# Allegro board controller_layout.brd (continued)
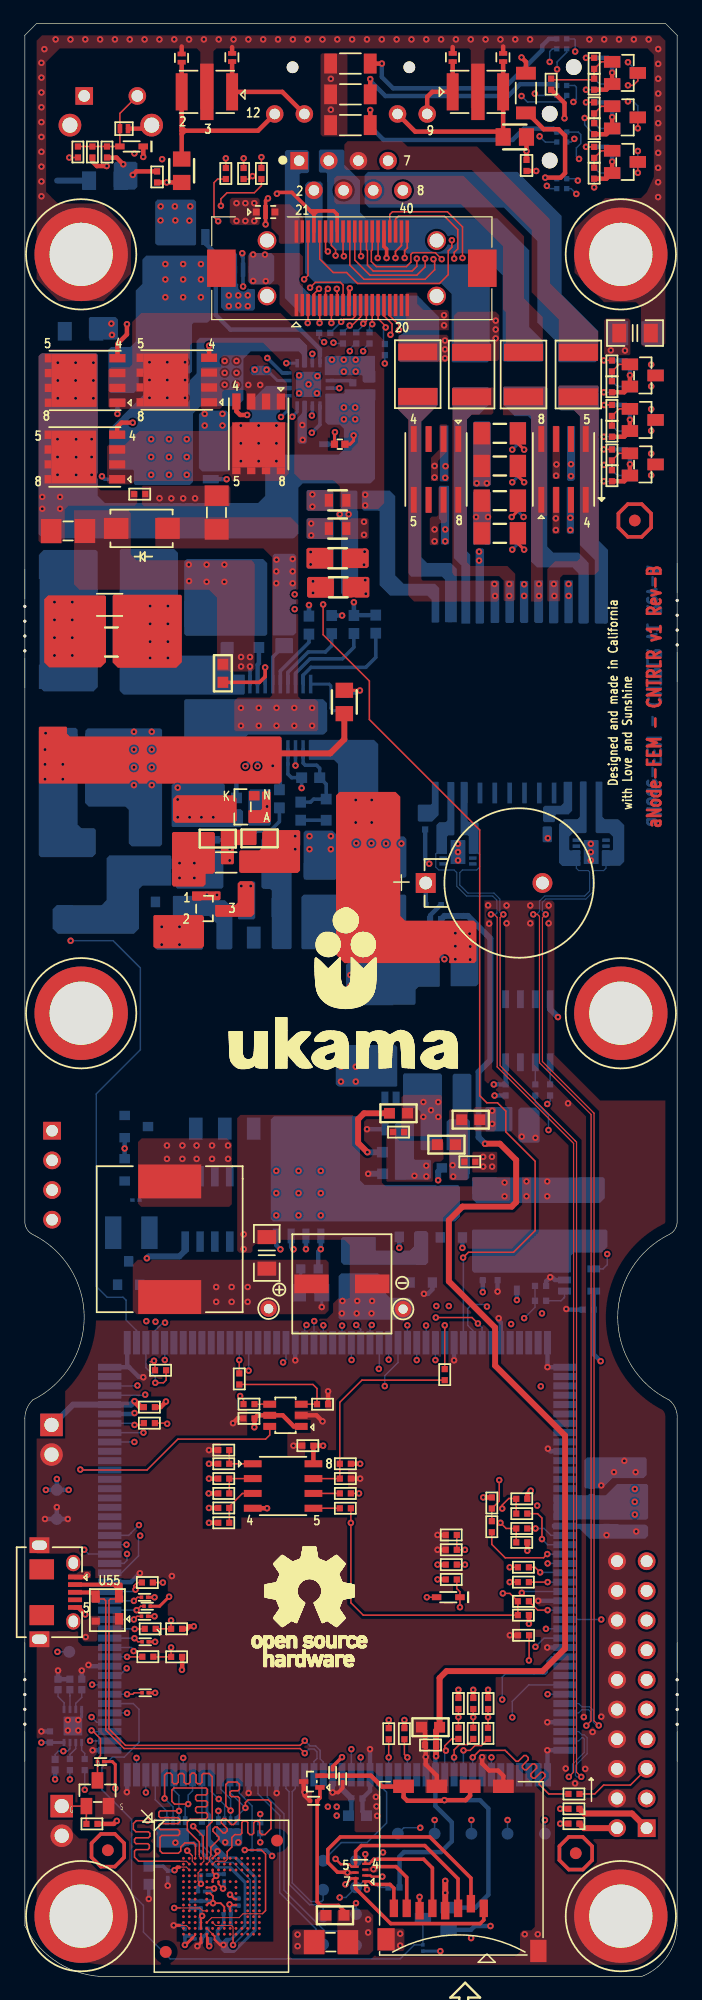
[diagram p0: board, top side]
## Routing (per net, layer and track width the routed paths; a pad name or vN(x,y) marks a point on that pad's centre or on a via; arc(x,y) is an arc through that point) (continued)
  BOTTOM w0.127: R109.1 v1(49.59,128.05) ; v1(8.73,26.4) 8.11,25.78 U17.97
PROG_LED_B2: length 203.8
  TOP w0.127: v1(49.62,134.58) 49.63,134.59 R20.1
  L3-SIG1 w0.119: v1(49.62,134.58) 49.6,134.59 49.06,134.59 48.73,134.92 48.73,137.61 44.66,141.67 44.66,152.03 38.87,157.82 16.74,157.82 14.82,155.9 14.82,147.83 14.21,147.22 14.21,143.34 13.84,142.98 10.29,142.98 9.36,142.05 7.02,142.05 3.76,138.79 3.76,128.25 5.24,126.77 5.24,89.79 10.14,84.89 10.14,78.55 5.12,73.54 5.12,68.25 6.92,66.45 6.92,52.97 5.99,52.05 5.99,38.13 7.07,37.06 7.07,23.58 v1(5.71,22.23)
  BOTTOM w0.127: U17.92 6.16,21.78 v1(5.71,22.23)
PROG_LED_B3: length 123.3
  TOP w0.127: R12.1 v1(48.07,156.69)
  L3-SIG1 w0.119: v1(48.07,156.69) 48.07,157.59 47.45,158.21 42.71,158.21 42.11,157.61 42.11,155.19 45.03,152.28 45.03,141.88 49.06,137.84 49.06,135.29 49.23,135.13 50.04,135.13 50.23,134.93 50.23,130.12 49.58,129.47 v1(49.61,129.45)
  L4-SIG2 w0.119: v1(49.61,129.45) 49.61,128.8 50.61,127.8 50.61,99.77 50.39,99.55 50.39,94.49 41.12,85.23 41.12,69.08 40.42,68.38 40.42,66.3 41.12,65.6 41.12,58.36 40.14,57.38 v1(39.58,57.38)
  BOTTOM w0.127: U17.168 38.37,55.34 37.95,55.76 37.95,57.22 38.29,57.56 39.4,57.56 39.57,57.38 v1(39.58,57.38)
PROG_LED_B4: length 184.8
  TOP w0.127: R6.1 v1(48.07,160.5)
  L3-SIG1 w0.119: v1(5.76,25.01) 5.76,25.75 6.39,26.38 6.39,34.34 5.82,34.92 5.82,36.6 5.31,37.11 5.31,52.37 6.19,53.25 6.19,65.94 4.38,67.76 4.38,73.84 9.34,78.8 9.34,84.62 4.33,89.63 4.33,104.16 3.4,105.09 3.4,124.82 3.7,125.12 3.7,127.26 3.41,127.54 2.7,127.54 2.16,128.08 2.16,138.44 6.47,142.75 9.03,142.75 10.7,144.42 10.7,152.31 11.26,152.87 13.18,152.87 14.03,153.72 14.03,156.25 18.33,160.54 43.8,160.54 44.37,161.11 47.45,161.11 v1(48.07,160.5)
  BOTTOM w0.127: U17.96 5.79,24.98 v1(5.76,25.01)
PROG_LED_G1: length 171.1
  L3-SIG1 w0.119: v1(9.39,45.78) 9.39,40.55 10.82,39.12 10.82,37.15 11.5,36.47 28.3,36.47 30.58,38.76 38.1,38.76 39.52,37.34 39.52,32.77 40.74,31.55 43.33,31.55 44.15,30.73 45.26,30.73 48.41,33.88 48.41,59.33 50.44,61.37 50.44,73.61 46.33,77.72 46.33,85.29 48.72,87.68 53.64,87.68 54.36,88.39 54.36,125.53 50.58,129.3 50.58,135.36 50.27,135.67 v1(49.59,135.67)
  BOTTOM w0.127: U17.122 v1(9.39,45.78) ; R102.1 v1(49.59,135.67)
PROG_LED_G2: length 210.9
  TOP w0.127: R24.1 v1(49.59,130.78)
  L3-SIG1 w0.119: v1(13.57,18.73) 10.97,18.73 7.76,21.94 7.76,37.54 6.7,38.59 6.7,51.8 7.61,52.71 7.61,66.79 5.79,68.61 5.79,73.16 10.92,78.29 10.92,85.18 6.08,90.02 6.08,126.75 7.14,127.81 7.14,128.83 6.48,129.5 6.48,138.71 7.36,139.6 8.16,139.6 10.81,142.25 14.64,142.25 15.65,143.26 15.65,155.82 17.01,157.18 38.4,157.18 44.02,151.56 44.02,141.41 48.07,137.35 48.07,131.56 48.85,130.78 v1(49.59,130.78)
  BOTTOM w0.127: U17.82 v1(13.57,18.73)
PROG_LED_G3: length 192.6
  L3-SIG1 w0.119: v1(5.59,20.19) 5.21,20.57 5.21,22.78 6.72,24.29 6.72,36.31 5.66,37.38 5.66,52.22 6.57,53.13 6.57,66.27 4.78,68.06 4.78,73.75 9.77,78.74 9.77,84.74 4.84,89.67 4.84,126.69 3.41,128.12 3.41,138.92 6.89,142.4 9.2,142.4 11.06,144.26 11.06,151.99 11.4,152.33 13.17,152.33 14.42,153.58 14.42,156.05 16.62,158.25 39.21,158.25 39.52,158.56 48.08,158.56 48.77,157.87 v1(48.77,153.21)
  BOTTOM w0.127: R100.1 v1(48.77,153.21) ; U17.90 5.6,20.18 v1(5.59,20.19)
PROG_LED_G4: length 156.5
  L3-SIG1 w0.119: v1(3.92,88.7) 3.92,88.71 3.92,100.7 2.56,102.05 2.56,112.09 1.88,112.77 1.88,124.95 2.23,125.3 2.23,127.25 1.73,127.74 1.73,138.6 6.2,143.07 8.79,143.07 10.33,144.62 10.33,153.08 11.51,154.26 13.06,154.26 13.65,154.86 13.65,156.43 18.13,160.91 41.48,160.91 42.34,161.76 47.89,161.76 v1(48.07,161.58)
  BOTTOM w0.127: R96.1 v1(48.07,161.58) ; v1(3.92,88.7) 3.93,88.71 7.56,88.71 9.9,86.38 9.9,79.36 6.12,75.58 6.12,59.11 7.05,58.17 8.42,58.17 8.67,57.92 8.67,56.23 9.57,55.33 U17.132
PROG_LED_R1: length 181.2
  TOP w0.127: R18.2 v1(49.59,138.4)
  L3-SIG1 w0.119: v1(49.59,138.4) 50.92,137.07 50.92,129.54 54.68,125.78 54.68,88.26 53.78,87.36 48.85,87.36 46.65,85.16 46.65,77.86 50.77,73.74 50.77,61.23 48.73,59.2 48.73,33.75 45.4,30.41 44.01,30.41 43.2,31.22 40.61,31.22 39.2,32.63 39.2,37.2 37.97,38.44 30.72,38.44 28.43,36.15 10.02,36.15 8.83,34.97 8.83,28.64 9.1,28.38 10.06,28.38 10.38,28.07 10.38,27.31 8.13,25.06 8.13,23.21 v1(8.76,22.58)
  BOTTOM w0.127: v1(8.76,22.58) U17.93
PROG_LED_R2: length 208.5
  L3-SIG1 w0.119: v1(9.57,18.73) 8.27,18.73 7.4,19.6 7.4,37.41 6.34,38.47 6.34,51.91 7.26,52.83 7.26,66.58 5.46,68.38 5.46,73.37 10.54,78.45 10.54,85.05 5.65,89.94 5.65,127.32 4.97,128 4.97,138.89 6.09,140.01 8.05,140.01 10.66,142.63 14,142.63 14.53,143.16 14.53,147.08 15.2,147.75 15.2,155.82 16.87,157.5 38.63,157.5 44.34,151.79 44.34,141.54 48.4,137.48 48.4,133.05 v1(49.59,131.86)
  BOTTOM w0.127: R105.2 v1(49.59,131.86) ; U17.87 v1(9.57,18.73)
PROG_LED_R3: length 203.3
  L3-SIG1 w0.119: v1(47.96,159.16) 48.49,159.16 48.83,159.5 48.83,161.54 48.2,162.17 42.14,162.17 41.24,161.27 17.95,161.27 13.3,156.62 13.3,155.05 12.87,154.62 10.14,154.62 9.39,155.38 v1(9.39,156.12)
  L4-SIG2 w0.119: v1(31.17,52.83) 29.51,52.83 28.77,52.1 20.58,52.1 17.94,54.73 15.57,54.73 14.07,56.23 14.07,64.17 10.16,68.07 10.16,75.08 11.99,76.91 11.99,85.95 9.6,88.35 9.6,99.12 11.55,101.08 11.55,106.89 15.23,110.57 22.68,110.57 31.2,119.09 31.2,136.16 30.28,137.08 30.28,139.91 29.44,140.74 28.93,140.74 28.45,141.22 28.45,142.13 28.08,142.49 23.91,142.49 22.66,143.75 22.66,145.38 21.87,146.17 17.94,146.17 15.37,148.73 11.17,148.73 10.37,149.53 10.37,154.32 9.38,155.31 9.38,156.12 v1(9.39,156.12)
  BOTTOM w0.127: v1(47.96,159.16) 47.96,158.58 R98.2 ; U17.159 v1(31.17,52.83)
PROG_LED_R4: length 186.2
  TOP w0.127: R1.2 v1(48.07,164.31)
  L3-SIG1 w0.119: v1(48.07,164.31) 48.51,163.87 48.51,162.86 48.19,162.55 41.89,162.55 41.09,161.75 17.79,161.75 12.78,156.74 12.78,155.78 12.63,155.63 v1(11.76,155.63)
  L4-SIG2 w0.119: v1(11.76,155.63) 11.76,154.66 10.69,153.59 10.69,149.8 11.36,149.13 15.46,149.13 18.08,146.52 22.07,146.52 23.08,145.51 23.08,143.94 24.18,142.83 29.42,142.83 30.39,141.87 30.39,140.38 31.63,139.14 31.63,119.04 22.77,110.18 15.58,110.18 12.02,106.61 12.02,100.88 10.06,98.92 10.06,88.43 12.34,86.15 12.34,76.69 10.7,75.05 10.7,68.29 14.41,64.57 14.41,56.4 15.68,55.14 18.16,55.14 20.71,52.6 v1(22.12,52.6)
  BOTTOM w0.127: v1(22.12,52.6) 22.37,52.85 U17.148
RF_EEPROM_WP: length 109.5
  TOP w0.127: v1(23.93,145.34) 24.26,145.67 J1.23
  L4-SIG2 w0.119: v1(34.37,55.76) 33.53,56.6 33.53,57.66 29.99,61.19 29.99,71.44 30.41,71.86 30.41,88.16 29.62,88.95 29.62,93.93 29.06,94.49 29.06,101.6 30.11,102.65 30.11,113.73 34.27,117.9 34.27,141.88 30.94,145.21 30.94,145.75 30.72,145.97 30.72,145.97 30.33,146.36 24.94,146.36 v1(23.93,145.34)
  BOTTOM w0.127: U17.163 v1(34.37,55.76)
RF_PWR_DETECT_F: length 185.4
  TOP w0.127: v1(16.56,150.32) 16.21,150.67 16.21,153.62 16.51,153.93 R15.1
  L4-SIG2 w0.119: v1(16.56,150.32) 16.56,150.59 17.32,151.34 17.32,152.34 18.24,153.27 22.1,153.27 22.43,152.94 22.43,151.05 22.96,150.52 38.23,150.52 42.13,146.61 42.13,141.36 44.45,139.04 47.65,139.04 52.52,134.18 52.52,94.13 43.1,84.71 43.1,79.17 47.55,74.71 47.55,73.37 47.11,72.93 47.11,64.47 46,63.35 46,59.11 45.47,58.57 45.47,54.41 41.86,50.8 41.86,37.49 27.97,23.6 v1(27.97,19.48)
  BOTTOM w0.127: v1(27.97,19.48) U17.64
RF_PWR_DETECT_R: length 185
  TOP w0.127: R17.1 20.27,153.36 19.66,152.76 17.32,152.76 16.8,152.23 v1(16.8,151.64)
  L4-SIG2 w0.119: v1(16.8,151.64) 16.8,152.42 18.05,153.68 22.53,153.68 22.86,153.35 22.86,151.64 23.66,150.84 38.36,150.84 42.76,146.44 42.76,141.64 45.01,139.4 47.75,139.4 52.84,134.31 52.84,93.94 43.49,84.59 43.49,79.24 47.96,74.78 47.96,73.05 47.49,72.59 47.49,64.21 46.33,63.05 46.33,58.93 45.81,58.4 45.81,54.29 42.21,50.7 42.21,37.34 28.77,23.89 v1(28.77,18.77)
  BOTTOM w0.127: v1(28.77,18.77) U17.63
RF_PWR_DISABLE: length 179
  TOP w0.127: v1(19.51,154.18) 19.26,153.93 R16.1
  L3-SIG1 w0.119: v1(44.2,50.55) 43.43,51.31 29.97,51.31 29.39,50.72 29.34,50.72 18.37,50.72 17.74,51.36 10.98,51.36 10.24,50.62 v1(9.65,50.62)
  L4-SIG2 w0.119: v1(19.51,154.18) 22.85,154.18 23.4,153.64 23.4,152.07 24.23,151.23 38.81,151.23 43.39,146.65 43.39,141.93 45.26,140.06 51.51,140.06 52.43,139.14 52.43,135.89 53.16,135.15 53.16,93.81 43.94,84.59 43.94,79.25 48.82,74.37 48.82,64.06 47.29,62.54 47.29,57.05 46.38,56.13 46.38,51.71 45.21,50.55 v1(44.2,50.55)
  BOTTOM w0.127: v1(9.65,50.62) 9.61,50.58 U17.128
RF_TEMP_ALERT: length 104.7
  TOP w0.127: v1(38.81,55.93) 38.3,56.44 v1(35.2,56.44) ; v1(30.23,147.17) 30.26,147.2 J1.35
  L4-SIG2 w0.119: v1(35.2,56.44) 34.75,56.44 33.93,57.25 33.93,57.86 30.35,61.45 30.35,71.23 30.73,71.61 30.73,88.29 30.43,88.6 30.43,113.52 34.59,117.69 34.59,142.06 31.26,145.39 31.26,145.88 30.95,146.19 30.23,146.91 v1(30.23,147.17)
  BOTTOM w0.127: v1(38.81,55.93) 39.17,55.57 U17.169
RF_THERMTRIP: length 195.4
  TOP w0.127: U3.6 20.98,46.38 20.62,46.03 13.11,46.03 10.47,43.38 4.79,43.38 v1(4.75,43.42) ; J1.30 27.84,149.36 27.84,146.56 29.06,145.34 34.29,145.34 35.1,146.15 35.1,146.86 35,146.96 v1(35,147.07)
  L4-SIG2 w0.119: v1(4.75,43.42) 5.23,43.9 5.23,48.84 8.31,51.92 13.39,51.92 16.62,48.68 34,48.68 37.9,52.58 37.9,59.26 32.43,64.73 32.43,70.02 32.65,70.24 32.65,94.98 37.11,99.44 48.51,99.44 49.77,100.7 49.77,123.65 48.77,124.64 48.77,133.09 45.77,136.09 40.64,136.09 38.11,138.63 38.11,144.74 36.67,146.17 35.9,146.17 v1(35,147.07)
  BOTTOM w0.127: U17.119 4.79,43.38 v1(4.75,43.42)
RX_ATTN_1DB: length 108.9
  TOP w0.127: v1(25.2,144.53) 24.76,144.09 J1.4
  L4-SIG2 w0.119: v1(32.77,55.77) 32.14,55.14 29.56,55.14 29.11,55.6 29.11,58.27 27.43,59.94 27.43,70 28.14,70.71 28.14,74.07 29.67,75.59 29.67,87.38 28.77,88.27 28.77,92.79 27.28,94.28 27.28,106.48 29.34,108.53 29.34,114.1 33.62,118.38 33.62,141.44 29.47,145.59 26.21,145.59 25.2,144.58 v1(25.2,144.53)
  BOTTOM w0.127: v1(32.77,55.77) U17.161
RX_ATTN_2DB: length 135.4
  TOP w0.127: J1.5 25.26,141.62 v1(25.24,141.6)
  L4-SIG2 w0.119: v1(35.17,52.79) 33.62,51.25 16.77,51.25 13.11,54.92 13.11,63.3 9.14,67.26 9.14,75.08 11.28,77.22 11.28,85.71 8.51,88.48 8.51,106.55 13.51,111.56 21.39,111.56 27.48,117.65 27.48,119.19 28.44,120.15 29.52,120.15 29.92,120.55 29.92,129.66 30.28,130.01 30.28,135.88 29.55,136.61 29.55,139.33 29.16,139.72 27.37,139.72 26.64,140.44 25.94,140.44 25.24,141.13 v1(25.24,141.6)
  BOTTOM w0.127: v1(35.17,52.79) U17.164
RX_ATTN_4DB: length 102.9
  TOP w0.127: v1(25.96,144.53) 25.76,144.33 J1.6
  L4-SIG2 w0.119: v1(28.39,55.8) 27.78,56.41 27.78,58.32 26.82,59.28 26.82,70.51 27.56,71.25 27.56,74.3 28.96,75.69 28.96,78.59 28.45,79.1 28.45,92.66 26.92,94.18 26.92,112.28 33.29,118.65 33.29,141.2 29.25,145.24 26.67,145.24 v1(25.96,144.53)
  BOTTOM w0.127: U17.156 28.77,55.42 v1(28.39,55.8)
RX_ATTN_8DB: length 100.7
  TOP w0.127: J1.8 26.76,144.23 26.72,144.27 v1(26.72,144.53)
  L4-SIG2 w0.119: v1(25.57,55.77) 26.01,56.21 26.01,70.76 27,71.76 27,75.18 27.74,75.92 27.74,83.9 26.87,84.76 26.87,92.71 25.55,94.03 25.55,111.43 32.97,118.85 32.97,141 30.05,143.92 27.33,143.92 v1(26.72,144.53)
  BOTTOM w0.127: v1(25.57,55.77) U17.152
RX_ATTN_ENB: length 134
  TOP w0.127: J1.3 24.26,141.63 v1(24.23,141.6)
  L4-SIG2 w0.119: v1(30.83,50.57) 30.65,50.75 16.27,50.75 12.55,54.47 12.55,62.97 7.98,67.54 7.98,74.68 10.87,77.57 10.87,85.48 7.87,88.48 7.87,106.48 14.94,113.54 22.86,113.54 26.97,117.65 26.97,121.25 28.5,122.77 28.5,128.83 29.74,130.07 29.74,135.76 28.73,136.78 27.12,136.78 25.66,138.23 25.66,139.2 24.23,140.64 v1(24.23,141.6)
  BOTTOM w0.127: v1(30.83,50.57) 30.83,51.46 31.97,52.59 U17.160
RX_ATTN_P5DB: length 128
  TOP w0.127: J1.7 v1(26.26,141.6)
  L4-SIG2 w0.119: v1(26.26,141.6) 26.26,141.32 27.51,140.07 29.27,140.07 29.91,139.43 29.91,136.77 30.71,135.97 30.71,119.12 22.64,111.05 14.48,111.05 10.01,106.58 10.01,101.04 9.14,100.18 9.14,88.32 11.65,85.81 11.65,77.09 9.75,75.18 9.75,67.67 13.59,63.83 13.59,56.21 15.54,54.26 17.8,54.26 20.41,51.66 29.94,51.66 v1(30.32,52.04)
  BOTTOM w0.127: U17.158 30.37,52.09 v1(30.32,52.04)
RX_ATTN_P16DB: length 109.9
  TOP w0.127: v1(24.43,144.63) 24.89,145.09 27.03,145.09 27.26,144.85 J1.9
  L4-SIG2 w0.119: v1(29.71,55.8) 30.43,56.51 30.43,58.22 27.99,60.65 27.99,70 30.02,72.03 30.02,87.63 29.09,88.56 29.09,92.93 27.6,94.41 27.6,106.35 29.66,108.4 29.66,113.84 33.94,118.12 33.94,141.68 29.67,145.95 25.76,145.95 v1(24.43,144.63)
  BOTTOM w0.127: U17.157 29.57,55.65 v1(29.71,55.8)
SDHC0_CD_PA13: length 6.3
  TOP w0.127: Q55.D R10794.1 6.22,18.67 6.48,18.92 6.48,20.38 5.77,21.08 v1(5.71,21.08)
  BOTTOM w0.127: U17.91 5.81,20.98 v1(5.71,21.08)
SDHI_CD: length 52.8
  BOTTOM w0.127: U17.94 9.29,23.38 9.78,22.89 9.78,20.07 8.51,18.8 7.49,18.8 6.6,17.91 6.6,16 9.14,13.46 9.14,7.11 10.16,6.1 10.16,3.81 12.45,1.52 32.16,1.52 33.35,2.72 R10793.1 Q54.D
SDHI_CLK: length 56.4
  TOP w0.127: R69.2 v1(11.83,33.75)
  TOP w0.198: v1(29.16,10.49) U6.4 29.51,9.66 29.75,9.9
  TOP w0.305: 29.75,9.9 29.9,10.05 34.16,10.05 34.91,9.3 CN1.5
  L3-SIG1 w0.119: v1(11.83,33.75) 24.03,33.75 26.21,31.57 26.21,17.1 27.33,15.97 31.75,15.97 32.66,15.06 32.66,11.15 31.59,10.08 29.57,10.08 v1(29.16,10.49)
SDHI_CMD: length 61.2
  TOP w0.127: R81.1 9.37,24.3 9.25,24.18 v1(8.76,24.18)
  TOP w0.198: 28.33,9.72 U6.5 28,9.41 27.78,9.62 27.07,9.62 v1(26.62,10.08)
  TOP w0.305: 28.33,9.72 28.33,10.73 28.83,11.22 34.26,11.22 37.11,8.37 CN1.3
  L3-SIG1 w0.119: v1(8.76,24.18) 8.76,25.22 10.69,27.15 18.01,27.15 18.13,27.27 18.13,27.62 18.25,27.74 18.49,27.74 18.61,27.62 18.61,27.27 18.72,27.15 19,27.15 19.12,27.27 19.12,28.4 19.24,28.52 19.47,28.52 19.59,28.4 19.59,27.27 19.71,27.15 19.95,27.15 20.07,27.27 20.07,28.4 20.19,28.52 20.43,28.52 20.55,28.4 20.55,27.27 20.67,27.15 20.91,27.15 21.03,27.27 21.03,28.4 21.15,28.52 21.38,28.52 21.5,28.4 21.5,27.27 21.62,27.15 21.99,27.15 22.2,26.94 22.2,14.5 v1(26.62,10.08)
  BOTTOM w0.127: v1(8.76,24.18) U17.95
SDHI_DAT0: length 60.6
  TOP w0.127: R70.1 9.65,32.48 v1(9.34,32.18)
  TOP w0.305: v1(29.86,9.2) 30.08,9.42 31.8,9.42 32.71,8.5 CN1.7
  L3-SIG1 w0.119: v1(29.86,9.2) 28.82,9.2 28.24,9.78 28.24,11.38 25.04,14.58 25.04,31.04 23.45,32.64 20.54,32.64 20.43,32.52 20.43,31.87 20.31,31.75 20.07,31.75 19.95,31.87 19.95,32.52 19.83,32.64 19.59,32.64 19.47,32.52 19.47,31.87 19.35,31.75 19.11,31.75 18.99,31.87 18.99,32.52 18.87,32.64 18.63,32.64 18.52,32.52 18.52,31.87 18.4,31.75 18.16,31.75 18.04,31.87 18.04,32.52 17.92,32.64 17.68,32.64 17.56,32.52 17.56,31.87 17.44,31.75 17.2,31.75 17.08,31.87 17.08,32.52 16.96,32.64 16.72,32.64 16.61,32.52 16.61,31.87 16.49,31.75 16.25,31.75 16.13,31.87 16.13,32.52 16.01,32.64 15.77,32.64 15.65,32.52 15.65,31.87 15.53,31.75 15.29,31.75 15.17,31.87 15.17,32.52 15.05,32.64 14.81,32.64 14.7,32.52 14.7,31.87 14.58,31.75 14.34,31.75 14.22,31.87 14.22,32.52 14.1,32.64 13.68,32.64 12.81,31.77 10.1,31.77 9.69,32.18 v1(9.34,32.18)
  BOTTOM w0.127: U17.105 9.34,32.18 v1(9.34,32.18)
SDHI_DAT1: length 60.4
  TOP w0.127: v1(9.39,28.98) 9.7,28.67 R78.1
  TOP w0.198: 30.02,7.9 29.74,7.9 29.47,8.16 U6.1 29.16,7.61 v1(29.31,7.46)
  TOP w0.305: 30.02,7.9 31.29,7.9 31.61,7.57 CN1.8
  L3-SIG1 w0.119: v1(29.31,7.46) 29.13,7.29 27.28,7.29 26.82,7.74 26.82,8.66 27.15,8.98 27.15,10.57 22.86,14.86 22.86,28.57 22.15,29.28 18.85,29.28 18.73,29.16 18.73,28.99 18.61,28.87 18.37,28.87 18.25,28.99 18.25,29.16 18.13,29.28 17.83,29.28 17.71,29.16 17.71,28.03 17.59,27.91 17.35,27.91 17.23,28.03 17.23,29.16 17.11,29.28 16.87,29.28 16.75,29.16 16.75,28.03 16.63,27.91 16.39,27.91 16.27,28.03 16.27,29.16 16.16,29.28 15.92,29.28 15.8,29.16 15.8,28.03 15.68,27.91 15.44,27.91 15.32,28.03 15.32,29.16 15.2,29.28 14.96,29.28 14.84,29.16 14.84,28.03 14.72,27.91 14.48,27.91 14.36,28.03 14.36,29.16 14.25,29.28 14.01,29.28 13.89,29.16 13.89,28.03 13.77,27.91 13.53,27.91 13.41,28.03 13.41,29.16 13.16,29.41 9.83,29.41 v1(9.39,28.98)
  BOTTOM w0.127: v1(9.39,28.98) 9.39,28.98 U17.101
SDHI_DAT2: length 60.6
  TOP w0.127: R72.1 9.91,31.72 v1(9.57,31.38)
  TOP w0.198: v1(27.46,7.9) 27.98,8.41 U6.7
  TOP w0.305: CN1.1 39.31,4.85 39.01,4.54 31.34,4.54 28.33,7.55 U6.7
  L3-SIG1 w0.119: v1(27.46,7.9) 28.19,8.63 28.19,9.17 27.89,9.47 27.89,11.23 24.58,14.53 24.58,30.68 23.85,31.41 22.62,31.41 22.5,31.53 22.5,32.01 22.38,32.13 22.14,32.13 22.02,32.01 22.02,31.53 21.9,31.41 21.66,31.41 21.54,31.53 21.54,32.01 21.42,32.13 21.19,32.13 21.07,32.01 21.07,31.53 20.95,31.41 9.61,31.41 v1(9.57,31.38)
  BOTTOM w0.127: U17.104 9.57,31.38 v1(9.57,31.38)
SDHI_DAT3: length 61.3
  TOP w0.127: R74.1 9.62,30.86 v1(9.34,30.58)
  TOP w0.198: U6.6 v1(27.64,8.91)
  TOP w0.305: v1(27.64,8.91) 27.61,8.94 26.79,8.94 25.96,9.78 25.96,10.89 27.02,11.96 34.69,11.96 38.21,8.44 CN1.2
  L3-SIG1 w0.119: v1(9.34,30.58) 9.96,29.97 13.28,29.97 13.97,30.65 15.12,30.65 15.24,30.53 15.24,30.41 15.36,30.29 15.59,30.29 15.71,30.41 15.71,30.53 15.83,30.65 23,30.65 23.36,30.29 23.36,15.12 27.53,10.95 27.53,9.02 v1(27.64,8.91)
  BOTTOM w0.127: v1(9.34,30.58) U17.103
SHDN: length 32.1
  L4-SIG2 w0.119: v1(41.76,22.2) 41.76,17.78 40.23,16.26 36.12,16.26 31.9,12.04 31.9,8.36 29.84,6.3 v1(28.37,6.3)
  BOTTOM w0.127: U17.35 43.17,24.98 41.76,23.57 v1(41.76,22.2) ; v1(28.37,6.3) 28.37,6.27 TP15.1
SOM_ETH_LED: length 190
  TOP w0.127: R47.1 12.14,47.4 v1(12.19,47.35)
  TOP w0.381: D2.1 C2.1 34.9,161.39 34.47,160.96 J3.9
  L3-SIG1 w0.119: v1(43.89,40.34) 43.08,39.52 13.16,39.52 12.19,40.49 v1(12.19,47.35)
  L4-SIG2 w0.119: v1(43.89,40.34) 43.89,40.34 43.89,41.93 43.59,42.23 43.59,46.63 46.74,49.78 46.74,55.91 47.74,56.91 47.74,62.47 49.33,64.06 49.33,74.32 44.35,79.3 44.35,84.49 54.36,94.49 54.36,134.52 52.78,136.09 52.78,139.29 51.61,140.46 45.77,140.46 44.02,142.21 44.02,146.86 41.91,148.97 41.91,158.37 40.78,159.5 J3.9
SOM_ETH_RX+: length 85
  TOP w0.102: v1(43.55,90.96) 43.91,90.96 44.08,90.79 44.08,78.25 48.51,73.83 48.51,21.9 v1(48.1,21.49)
  BOTTOM w0.102: v1(43.55,90.96) 43.84,90.96 44.08,91.2 44.08,92.09 44.52,92.53 47.95,92.53 48.38,92.96 48.38,94.59 48.26,94.71 47.44,94.71 47.24,94.91 U12.1 ; v1(48.1,21.49) 48.44,21.83 48.44,22.7 48.29,22.86 47.72,22.86 47.44,22.58 U17.38
SOM_ETH_RX-: length 85
  TOP w0.102: v1(44.62,90.96) 44.34,90.68 44.34,78.36 48.76,73.94 48.76,21.91 v1(49.16,21.51)
  BOTTOM w0.102: U12.10 49.78,94.91 49.58,94.71 48.76,94.71 48.64,94.59 48.64,92.86 48.06,92.27 44.62,92.27 44.34,91.99 44.34,91.24 v1(44.62,90.96) ; v1(49.16,21.51) 48.98,21.51 48.69,21.79 48.69,22.81 48.39,23.11 47.72,23.11 47.44,23.38 U17.37
SOM_ETH_TX+: length 93.3
  TOP w0.102: v1(46.6,17.11) 47.01,17.51 47.01,71.35 40.46,77.9 40.46,90.71 40.21,90.96 v1(39.93,90.96)
  BOTTOM w0.102: U17.41 47.44,20.18 47.72,20.46 47.82,20.46 47.92,20.36 47.92,19.2 46.91,18.19 46.91,17.42 v1(46.6,17.11) ; v1(39.93,90.96) 40.31,90.96 40.44,91.08 40.44,92.17 40.08,92.53 37.84,92.53 37,93.37 37,94.54 36.78,94.76 35.45,94.76 35.2,95.01 35.2,96.14 35.36,96.3 U13.8
SOM_ETH_TX-: length 93.3
  TOP w0.102: v1(40.99,90.96) 40.71,90.68 40.71,78.01 47.26,71.46 47.26,17.51 v1(47.67,17.11)
  BOTTOM w0.102: U17.40 47.44,20.98 47.72,20.71 47.92,20.71 48.17,20.46 48.17,19.09 47.17,18.09 47.17,17.22 47.28,17.11 v1(47.67,17.11) ; v1(40.99,90.96) 40.87,90.96 40.69,91.14 40.69,92.27 40.18,92.78 37.95,92.78 37.26,93.47 37.26,94.54 37.49,94.76 38.71,94.76 38.96,95.01 38.96,96.08 38.75,96.3 U13.3
SOM_HSIC_DAT: length 16.8
  BOTTOM w0.127: U17.74 19.97,15.66 21.84,13.79 21.84,7.18 24.94,4.09 24.94,3.37 TP17.1
SOM_HSIC_STROBE: length 18.6
  BOTTOM w0.127: U17.73 20.77,15.37 22.2,13.94 22.2,7.41 25.71,3.9 27.16,3.9 TP18.1
SOM_NRST: length 62.1
  TOP w0.127: D9.A v1(34.43,32.49) ; R88.2 v1(31.17,21.98)
  L3-SIG1 w0.119: v1(31.17,21.98) 31.17,29.22 v1(34.43,32.49)
  L4-SIG2 w0.119: v1(20.16,13.92) 21.38,15.14 28.88,15.14 30.38,16.63 30.38,21.18 v1(31.17,21.98) ; v1(42.77,56.39) 42.77,56.03 39.98,53.24 39.98,50.65 36.22,46.89 36.22,33.45 35.26,32.49 v1(34.43,32.49)
  BOTTOM w0.127: R141.2 v1(20.16,13.92) ; R131.1 R133.1 43.71,57.32 v1(42.77,56.39)
SOM_TCK: length 19.6
  TOP w0.127: R83.1 v1(38.41,22.22) R86.1
  L3-SIG1 w0.119: J5.9 51.91,24.23 49.07,24.23 44.91,20.07 40.56,20.07 v1(38.41,22.22)
SOM_TDI: length 6.6
  TOP w0.127: R92.1 48.82,15.64 49.58,16.4 51.88,16.4 J5.5
SOM_TDO: length 18.7
  TOP w0.127: R84.2 v1(39.68,22.22) 39.68,21.31 R87.1
  L3-SIG1 w0.119: J5.13 52.03,26.72 50.6,26.72 44.7,20.83 41.07,20.83 v1(39.68,22.22)
SOM_TMS: length 19.8
  TOP w0.127: R82.2 v1(37.14,22.22) R85.1
  L3-SIG1 w0.119: J5.7 51.7,18.77 41.53,18.77 40.84,19.46 39.9,19.46 v1(37.14,22.22)
SOM_USB_OCR: length 3.2
  TOP w0.127: v1(32.77,18.77) 32.52,19.03 R89.2
  BOTTOM w0.127: v1(32.77,18.77) U17.58
SOM_USBA_DM: length 33.3
  TOP w0.127: U5.2 7.33,32.34 7.21,32.21 7.21,21.22 8.62,19.8 23.58,19.8 v1(23.98,20.2)
  BOTTOM w0.127: v1(23.98,20.2) 24.42,19.76 24.9,19.76 25.3,19.37 25.3,18.64 25.57,18.37 U17.67
SOM_USBA_DP: length 33.2
  TOP w0.127: U5.3 6.78,32.34 6.93,32.18 6.93,21.11 8.51,19.53 23.58,19.53 v1(23.98,19.14)
  BOTTOM w0.127: v1(23.98,19.14) 24.33,19.49 24.79,19.49 25.03,19.25 25.03,18.68 24.77,18.42 U17.68
SOM_USBB_DM: length 13.6
  BOTTOM w0.127: TP14.1 25.55,6.56 25.42,6.43 24.5,6.43 22.91,8.03 22.91,15.84 23.17,16.11 U17.70
SOM_USBB_DP: length 14.1
  BOTTOM w0.127: U17.71 22.37,16.11 22.63,15.84 22.63,7.92 24.39,6.16 25.42,6.16 25.55,6.03 TP16.1
SOM_WDI_IN: length 49
  TOP w0.127: R42.1 11.15,52.66 v1(11.06,52.74) 10.97,52.65 10.74,52.65
  L3-SIG1 w0.119: v1(49.89,61.87) 48.92,60.91 32.31,60.91 30.63,59.23 30.63,55.69 29.25,54.31 11.38,54.31 10.92,53.85 10.92,52.79 10.97,52.74 v1(11.06,52.74)
  BOTTOM w0.127: v1(49.89,61.87) 49.89,60.96 49.53,60.6 U16.4
SPARE1: length 3.8
  BOTTOM w0.254: v1(20.71,137.6) 21.64,136.67 U8.3
  BOTTOM w0.381: Q15.9 v1(13.56,145.33) v1(13.56,146.65) ; Q15.9 13.69,145.25 ; Q15.9 13.43,145.25
  vias: v1(12.04,146.65) v1(12.04,145.33) v1(12.04,143.8) v1(13.56,143.8) v1(15.08,146.65) v1(15.08,145.33) v1(15.08,143.8) v1(19.69,137.6) v1(23.11,118.36) v1(23.11,117.09) v1(29.16,119.58) v1(29.21,118.42) v1(42.77,119.23) v1(42.77,118.23)
SPARE2:
  vias: v1(10.82,131.65) v1(10.82,130.13) v1(10.82,128.6) v1(12.35,131.65) v1(12.35,130.13) v1(12.35,128.6) v1(13.87,131.65) v1(13.87,130.13) v1(13.87,128.6) v1(29.05,124.58) v1(29.05,123.47) v1(38.91,122.02) v1(38.91,121.26)
SPI0_CLK: length 3.8
  TOP w0.127: J1.15 30.26,141.97 30.91,141.32 v1(30.91,141.22)
  BOTTOM w0.127: R155.1 30.73,139.91 30.73,141.09 30.85,141.22 v1(30.91,141.22)
SPI0_MISO: length 3.7
  TOP w0.127: v1(27.1,141.7) 27.31,141.92 28.03,141.92 28.26,142.15 J1.11
  BOTTOM w0.127: R157.1 26.16,140.77 v1(27.1,141.7)
SPI0_MOSI: length 2.4
  TOP w0.127: J1.14 v1(29.76,141.5)
  BOTTOM w0.127: v1(29.76,141.5) 29.53,141.27 R156.1
SPI0_NCS0: length 3.1
  TOP w0.127: v1(27.83,141.39) 28.02,141.39 28.76,142.13 J1.12
  BOTTOM w0.127: R158.1 27.83,141.38 v1(27.83,141.39)
SPI0_NCS1: length 2.7
  TOP w0.127: J1.13 29.26,141.76 29.04,141.55 v1(28.99,141.55)
  BOTTOM w0.127: R10800.1 28.93,141.34 28.93,141.49 v1(28.99,141.55)
T2P: length 5
  BOTTOM w0.254: LED2.K 26.42,108.4 26.21,108.61 26.21,110.54 26.07,110.68 U11.20
TG12: length 25.7
  TOP w0.381: Q6.4 7.93,139.81 8.75,140.62 v1(8.75,141.5)
  L5-PWR w0.381: v1(8.75,141.5) 20.7,141.5 23.26,138.94 23.26,137.85 22.61,137.19 22.61,133.88 v1(22.91,133.57)
  BOTTOM w0.254: v1(22.91,133.57) 23.33,134 U8.16
TG36: length 18
  TOP w0.381: v1(9.24,133.07) 8.28,133.07 7.91,132.69 Q9.4
  L5-PWR w0.381: v1(9.24,133.07) 13.08,133.07 14.63,134.62 20.88,134.62 v1(21.95,133.55)
  BOTTOM w0.254: v1(21.95,133.55) 22.49,134.1 U8.1
TG45: length 20
  L5-PWR w0.381: v1(7.93,133.82) 7.93,136.63 10.34,139.04 20.34,139.04 v1(20.77,138.6)
  BOTTOM w0.305: U8.4 22.06,137.32 v1(20.77,138.6)
  BOTTOM w0.381: Q17.4 v1(7.93,133.82)
TG78: length 29.5
  L5-PWR w0.381: v1(6.6,128.47) 6.6,128.7 6.6,128.7 6.6,137.84 9.22,140.46 20.1,140.46 v1(22.4,138.16)
  BOTTOM w0.254: U8.5 v1(22.4,138.16)
  BOTTOM w0.305: Q20.4 6.85,128.22 v1(6.6,128.47)
THERM_ALERT: length 38.2
  L4-SIG2 w0.119: v1(3.3,19.3) 3.68,19.3 4.45,18.54 5.97,18.54 6.48,19.05 6.48,21.96 6.35,22.09 6.35,37.01 10.16,40.82 v1(10.16,46.58)
  BOTTOM w0.127: U17.123 v1(10.16,46.58) ; U18.7 3.86,19.52 3.65,19.3 v1(3.3,19.3) 2.87,19.3 2.59,19.02 R137.2
TRXFE_IN_12V: length 70.1
  TOP w0.381: R4.2 42.93,163.96 v1(42.55,164.34)
  L4-SIG2 w0.508: 26.62,161.29 40.23,161.29 42.55,163.6 v1(42.55,164.34) ; v1(26.21,162.51) 24.89,161.19 16.1,161.19 11.99,157.07 3.71,157.07 3.05,156.41 3.05,153.72 3.75,153.01 8.84,153.01 9.35,152.51 9.35,148.94 10.82,147.48 15.32,147.48 17.03,145.76 17.03,144.4 v1(17.47,143.96)
  BOTTOM w0.254: R132.2 v1(25.43,57.34)
  vias: v1(16.39,59.05) v1(16.39,57.78) v1(17.47,143.05) v1(17.71,59.05) v1(17.71,57.78) v1(18.28,143.96) v1(18.28,143.1) v1(19.1,143.96) v1(19.1,143.05) v1(19.08,59.05) v1(19.08,57.78) v1(26.21,159.87) v1(39.26,70.2) v1(39.26,69.36) v1(40.01,70.2) v1(40.03,69.36)
